# Altium PCB SAC100001-RFSENS.PcbDoc (part 2 of 4) (continued)
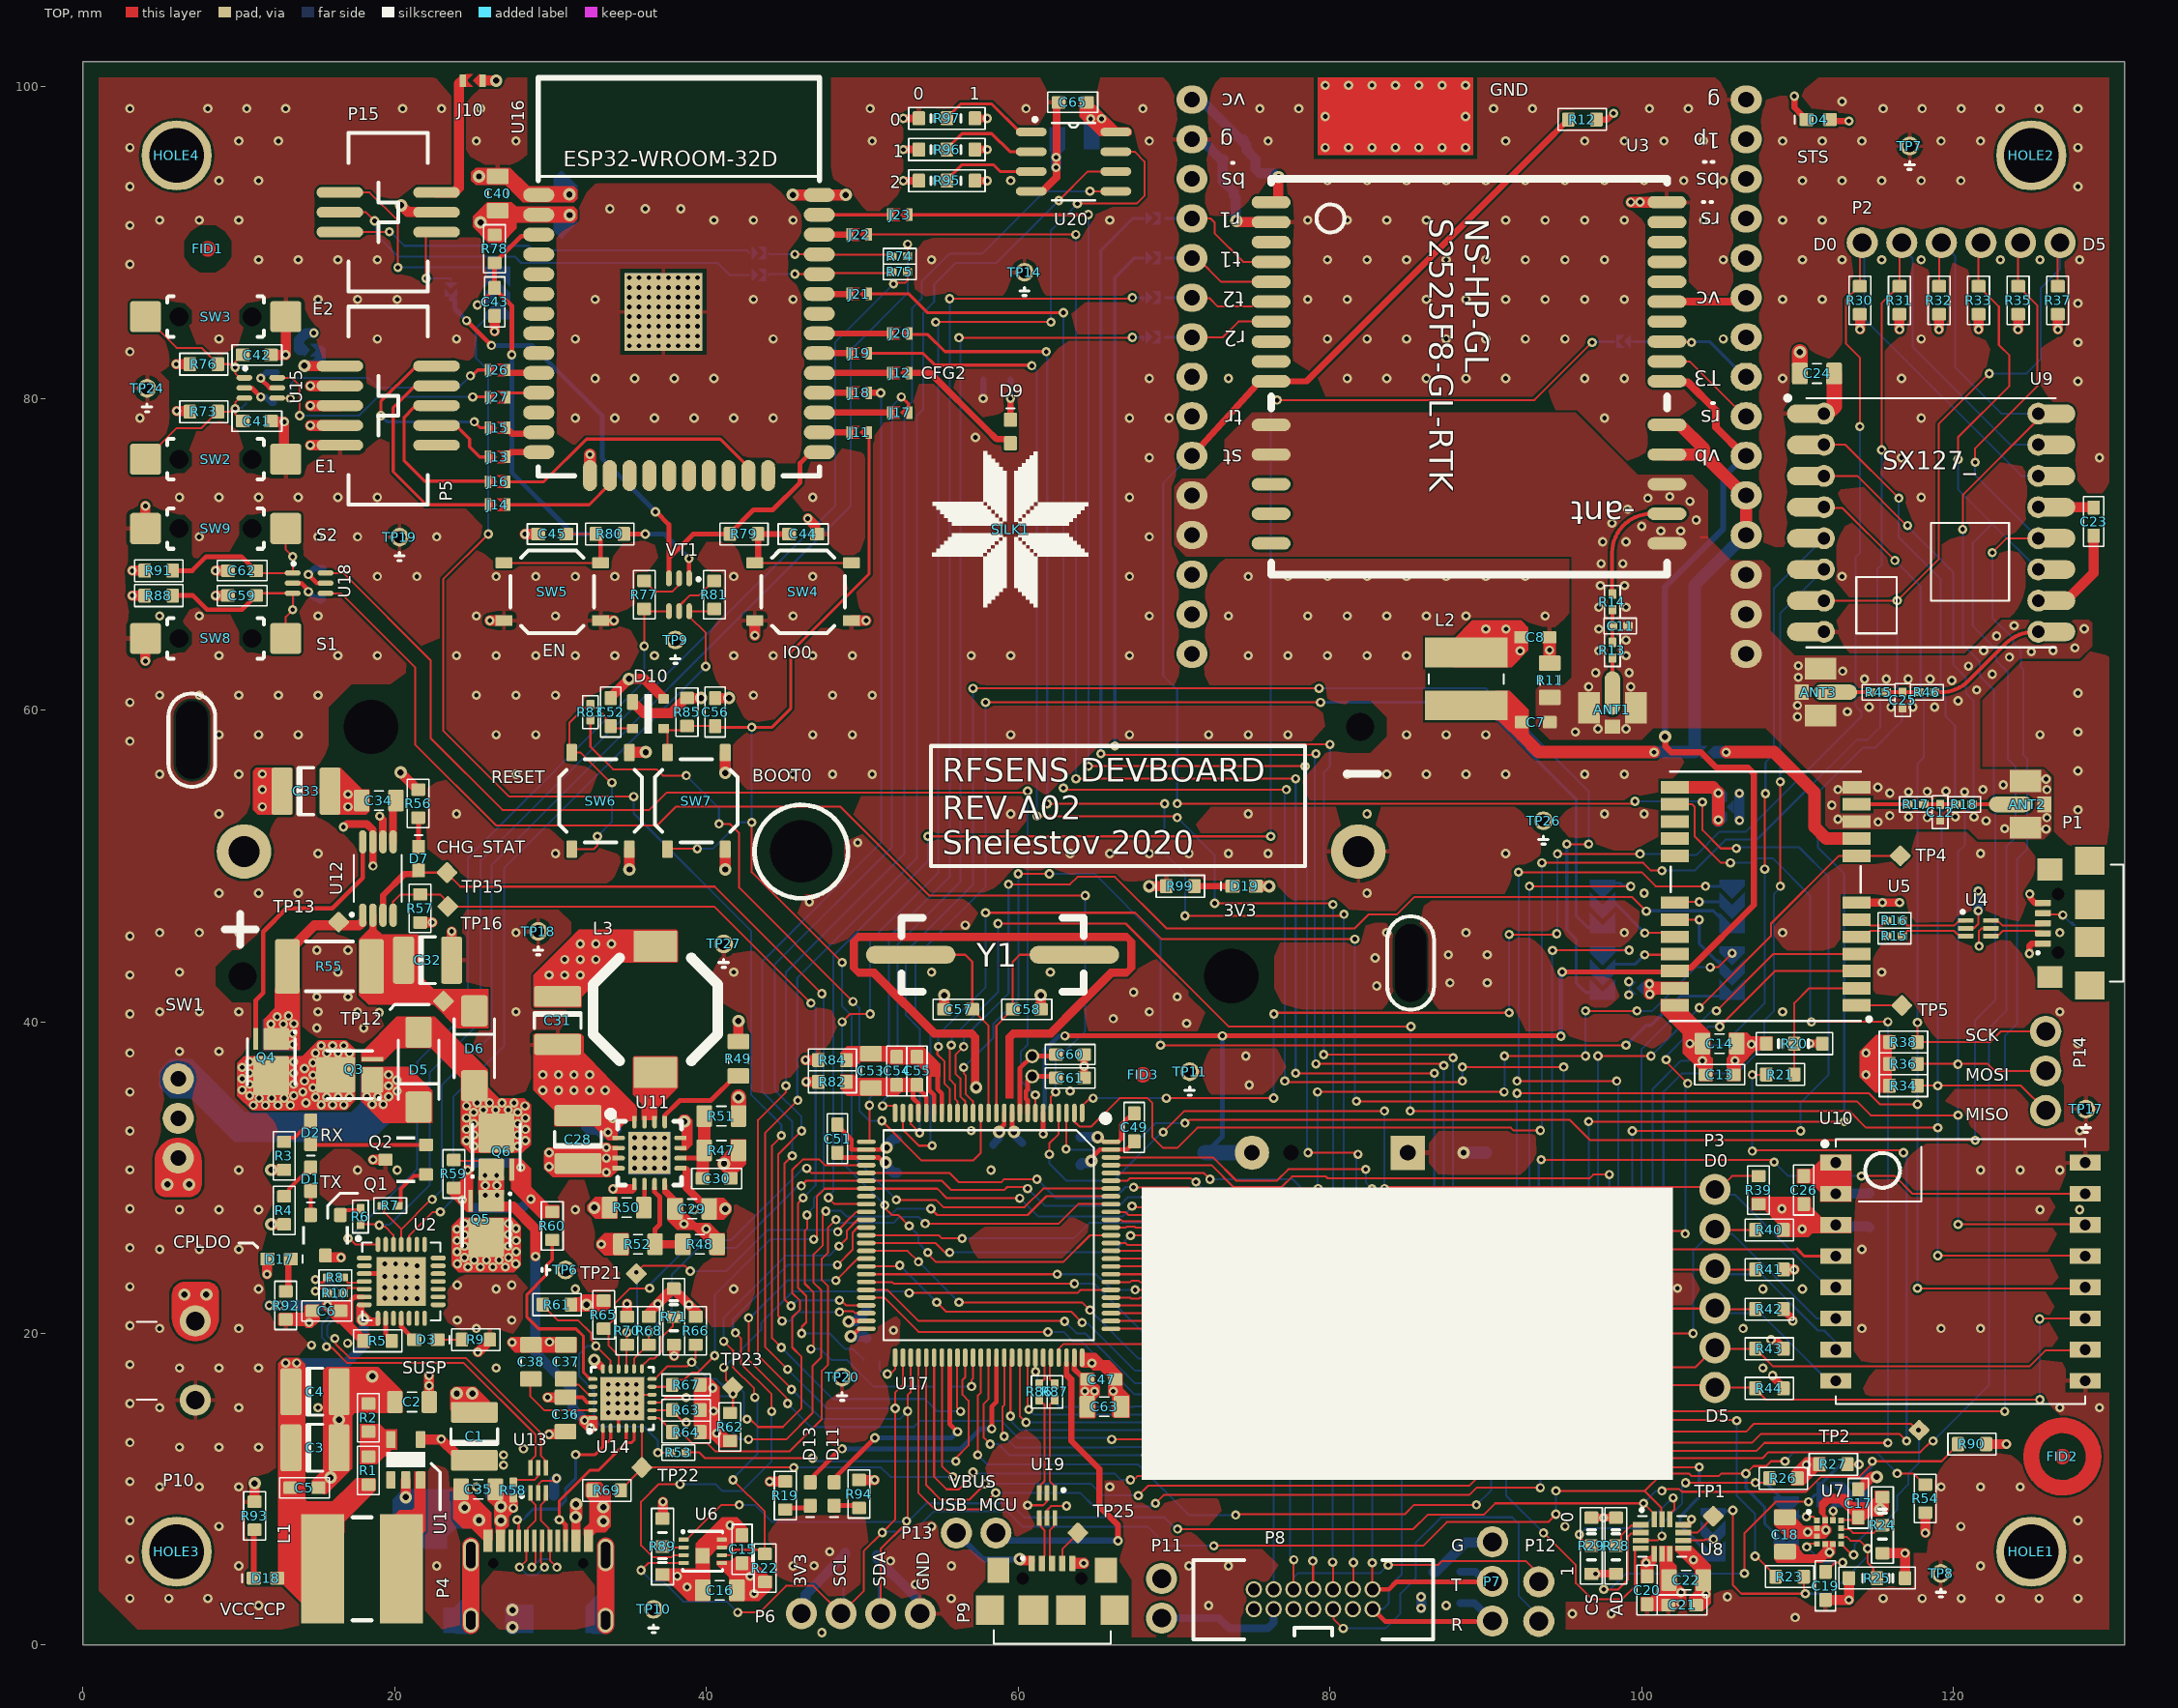
[diagram p0: TOP view]
## Nets (pads, with @x,y where several pads share a name; then routed paths per layer and width w, separated by ;. In a path a pad name is that pad's centre, name@x,y a point inside that pad or via, vN(x,y) a via of type N, cw(c..) or ccw(c..) an arc to the next point about the centre after c; other vN are vias at no path point) (continued)
  TOP w0.127: U13.2@29.223,9.793 29.223,10.33 29.443,10.55 v1@30.375,10.55 ; U14.PAD@35.975,16.075 U14.10@36.5,16.075 ; v1@60.55,8.975 v1(60.6,8.975) 61.607,8.975 61.827,9.195 61.827,9.732 U19.2@61.85,9.755 ; v1(99.3,92.6) v1@99.303,92.597 ; U3.30@101.622,92.597 U3.30@101.625,92.593 ; U7.2@111.259,7.502 U7.2@111.26,7.501 ; U7.12@111.772,8.015 U7.12@111.772,8.015 ; v1@111.774,7.501 111.825,7.45 v1(111.825,7.375)
  TOP w0.2: U14.3@34.35,13.925 U14.PAD@34.35,14.525
  TOP w0.3: U15.2@10.345,80.675 10.825,80.675 v1(11.4,80.1) ; U18.2@13.445,68.15 13.456,68.139 14.011,68.139 14.45,67.7 v1(14.45,67.6) ; U2.3@18.042,23.843 U2.29@19,23.843 ; C51.1@48.4,33.4 48.4,33.35 49.3,32.45 49.3,31.8 49.8,31.8 U17.27@50.25,31.8 51.29,31.8 51.416,31.926 v3(51.551,31.926) ; v3(49.117,20.761) 49.156,20.8 U17.49@49.95,20.8 ; U17.10@59.6,34.15 59.6,33.191 59.728,33.063 v3(59.728,32.928) ; v3(64.7,31.075) 64.7,31.274 65.226,31.8 U17.99@65.95,31.8 66.975,31.8 C49.1@67.45,32.275
  TOP w0.35: v1@110.625,7.25 110.63,7.255 v1(110.654,7.255)
  TOP w0.49: v1(19.028,53.204) 19.028,53.172 19.241,52.959 U12.6@19.241,51.549
  TOP w0.5: v1(33.975,33.8) v1@34.002,33.8 ; U11.9@38.7,30.492 38.7,29.375 C29.1@39.875,28.2 ; v1(52.625,93.975) R95.3@53.625,93.975 ; v1(52.625,95.975) R96.3@53.625,95.975 ; v1(52.625,97.975) R97.3@53.625,97.975 ; U20.4@60.836,93.295 U20.4@61.547,93.295 ; U20.4@61.555,93.295 U20.4@61.547,93.295 ; 62.45,94.198 U20.4@61.547,93.295 ; 62.45,94.2 C65.1@62.45,98.9 ; C61.1@64.225,36.4 C60.1@64.225,37.9 ; C8.1@94.075,64.675 C8.1@94.088,64.663 ; R11.2@94.088,63.038 R11.2@94.1,63.025 ; R29.3@96.775,8.175 v1(97.55,8.175) R28.3@98.35,8.175 ; U3.30@101.625,92.593 U3.30@101.628,92.597 ; v1(110.8,38.6) R20.1@111.6,38.6
  TOP w0.65: v1(4,63.15) SW8.1@4,64.6 ; SW9.1@4,71.65 v1(4,73.1) ; v1(8.5,67.35) C59.2@9.3,67.35 ; v1(8.5,68.95) C62.2@9.3,68.95 ; R93.1@11,9.2 v3(11,10.379) ; C41.2@12.1,78.5 v1(12.9,78.5) SW2.1@12.9,76.2 ; C42.2@12.15,82.8 v1(13,82.8) SW3.1@13,85.25 ; Q1.3@15.625,24.875 v1(16.55,24.875) ; R2.1@18.3,15.5 R2.1@18.35,15.55 ; v1(18.6,31.15) Q2.3@19.4,31.15 ; C2.1@19.95,15.55 C2.1@20,15.6 ; v3(20.4,92.4) 20.84,91.96 22.665,91.96 P15.4@22.675,91.95 ; v3@20.7,9.6 U1.2@20.7,10.6 ; R57.1@21.625,46.375 v1(22.4,46.375) ; C32.2@23.64,43.95 23.65,43.96 v1(23.65,45.8) ; v1(25.325,18.8) 25.35,18.8 26.1,19.55 R9.1@26.1,19.6 ; v1(26.4,84.3) C43.1@26.4,85.3 ; v1(29.9,13.525) C36.2@30.775,13.525 ; v3@31.195,93.055 v3@31.2,93.05 ; v1(34,29.275) 35.2,29.275 ; R70.1@34.9,21.2 v1(34.9,21.9) ; D10.1@35.425,60.35 35.975,59.8 37.725,59.8 38.7,60.775 R85.1@38.75,60.775 v3(39.65,60.775) ; R71.1@37.9,19.275 37.925,19.25 v1(37.925,18.55) ; C56.2@40.55,60.775 v3(41.45,60.775) ; v1(44.05,10.5) R19.2@45.05,10.5 ; v1(46.35,37.55) R84.1@47,37.55 ; v1(46.5,72.3) 46.975,71.825 C44.1@46.975,71.375 ; R94.2@49.786,10.601 v1(50.786,10.601) ; C57.1@55.25,40.8 v3(55.25,41.7) ; C58.1@61.45,40.8 v3(61.45,41.7) ; v3(68.4,48.7) R99.1@69.5,48.7 ; v3(74,91.4) 74.041,91.4 74.125,91.316 U3.2@76.225,91.316 ; C26.1@110.4,30.05 C26.1@110.4,30.1 C26.1@110.4,30.15 ; U9.1@111.176,79.025 U9.1@111.438,79.287 ; C19.2@111.8,2.9 v1(113.3,2.9) R25.1@113.3,4.3 ; U10.2@112.285,29.14 U10.2@112.46,28.965 ; U10.1@112.285,30.79 U10.1@112.46,30.965 ; R24.3@115.35,9.5 R24.3@115.4,9.5 ; U9.10@126.525,67.025 127.225,67.025 129,68.8 C23.1@129,71.2
  TOP w0.7: v1(14.575,77) P5.9@16.475,77 ; v1(14.575,78.27) P5.7@16.475,78.27 ; v1(14.575,79.54) P5.5@16.475,79.54 ; v1(14.575,80.81) P5.3@16.475,80.81 ; v1(26.1,65.75) SW5.1@26.95,65.75 ; v1(28.35,71.3) C45.1@29.2,71.3 ; SW5.3@33.2,65.75 v1(34.05,65.75) ; v3(35.05,49.775) SW6.1@35.05,51.075 ; SW6.3@35.05,57.275 35.075,57.3 v3(36.1,57.3) ; v1(43.1,64.8) SW4.1@43.1,65.75 ; v3(45.535,93.06) U16.38@47.235,93.06 v3(48.935,93.06) ; SW4.3@49.385,65.747 v1(50.235,65.747) ; v1@99.303,92.597 U3.30@101.622,92.597
  TOP w0.8: U16.15@32.52,75.05 v1(32.52,76.4) ; R11.2@94.088,63.038 v1(94.088,63.85) C8.1@94.088,64.663
  TOP w1: R51.1@42.05,33.9 v3(42.05,35.15) ; U9.1@110.625,79.025 111.176,79.025 U9.1@111.7,79.025 111.896,79.025 112.355,79.484 112.355,81.395 112.35,81.4 C24.1@112.35,81.6
  BOT w0.4: v1(11.4,80.1) 11.438,80.062 11.738,80.062 12.075,79.725 D16.1@12.225,79.725 ; v1(14.45,67.6) 14.875,67.175 D12.1@15.225,67.175 ; v1(57.75,80) R72.2@57.75,81.2
  BOT w0.5: v3@59.65,32.825 C46.1@60.25,32.225 ; U3.30@106.253,99.173 U3.30@106.705,99.173
  BOT w0.65: D12.1@15.225,67.175 D12.1@15.25,67.15 ; D8.1@30.2,9.6 30.225,9.625 30.225,10.55 v1(30.375,10.7) ; C67.1@32.45,33.075 C67.1@32.275,33.25 C67.1@32.45,33.425 ; v3(49.117,20.761) 49.145,20.789 49.589,20.789 50.25,21.45 C48.1@50.25,21.5 ; D15.1@50.925,5.775 50.95,5.75 50.95,5.55 53.452,3.048 53.452,2.283 P6.4@53.71,2.025 ; v3(51.551,31.926) 51.58,31.954 51.58,32.08 52,32.5 C64.1@52.2,32.5 ; C50.1@64,30.8 64,30.85 64.075,30.925 64.561,30.925 64.725,31.089 64.725,31.15 64.7,31.125 v3(64.7,31.075) ; U3.2@71.145,96.633 U3.2@71.556,96.633 ; U3.2@71.677,96.677 73.024,95.33 73.13,95.33 C9.1@73.164,95.364 73.128,95.328 73.128,93.964 73.822,93.27 C10.1@73.822,93.022 73.964,92.881 73.964,91.436 v3(74,91.4) ; D14.1@86.65,4.7 86.8,4.7 88.7,6.6 90.4,6.6 P7.3@90.425,6.625 ; v1(106.275,52.925) v1@106.275,54.661 ; U10.2@112.46,28.965 112.477,28.982 114.582,28.982 C27.1@114.6,29
  BOT w0.8: v3(88.577,31.6) B1.NEG@90,31.6
  other v1: 47.4,0.8 109.85,1.775 95.55,2.013 98.05,2.013 102.525,2.675 3,3 5.5,3 8,3 55.7,3 115.5,3 118,3 120.5,3 123,3 125.5,3 128,3 105.5,3.1 102.525,3.375 38.75,3.725 53.4,3.9 38.125,4.425 46.9,5.1 64.2,5.25 51.8,5.4 3,5.5 128,5.5 47.9,6 41.508,7.692 3,8 128,8 3,10.5 28.25,12.6 3,13 33.7,14.925 34.3,14.925 34.9,14.925 35.5,14.925 3,15.5 33.7,15.525 34.3,15.525 34.9,15.525 35.5,15.525 33.7,16.125 34.3,16.125 34.9,16.125 35.5,16.125 64.275,16.3 64.9,16.3 33.7,16.725 34.3,16.725 34.9,16.725 35.5,16.725 3,18 14.65,19.25 16.975,19.375 27.525,19.425 29.925,19.45 52,20.2 3,20.5 83.6,20.6 14.5,20.7 24,20.85 27.5,20.85 92.2,20.9 85.9,21.1 88.7,22.1 19.349,22.258 20.049,22.258 20.737,22.243 21.437,22.243 95.5,22.5 102.3,22.9 20.737,22.943 21.437,22.943 19.349,22.958 20.049,22.958 3,23 24,23.1 27.5,23.1 19.349,23.658 20.049,23.658 20.737,23.643 21.437,23.643 21.437,24.343 20.737,24.443 19.349,24.458 20.049,24.458 3,25.5 33.25,25.725 3,28 3,30.5 35.382,30.615 36.032,30.615 36.669,30.6 37.319,30.6 36.669,31.25 37.319,31.25 35.382,31.265 36.032,31.265 35.382,31.915 36.032,31.915 36.669,31.9 37.319,31.9 36.669,32.55 37.319,32.55 35.382,32.565 36.032,32.565 33.675,32.9 3,33 3,35.5 29.5,35.6 30.5,35.6 31.5,35.6 32.5,35.6 33.5,35.6 74.818,35.938 29.5,36.6 30.5,36.6 31.5,36.6 32.5,36.6 64.225,37.15 74.6,37.8 3,38 128,38.6 15,39.6 18,39.6 70.8,39.9 66.1,40.2 3,40.5 19,40.6 15,41.6 17,41.6 70.2,41.6 67.4,41.9 83,42.3 87.7,42.5 90.1,42.5 3,43 82.9,44.1 87.6,44.3 90.1,44.3 15,44.6 17,44.6 3,45.5 56.6,46.2 46.6,47.7 49.7,51.5 128,53.6 17,53.8 17,54.6 106.269,54.661 128,56.1 3,58 128,58.6 3,60.5 128,61.1 57.25,77.5 128,81.1 3,83 35.05,83.375 35.675,83.375 36.3,83.375 36.925,83.375 37.55,83.375 38.175,83.375 38.8,83.375 39.425,83.375 128,83.6 35.05,84 35.675,84 36.3,84 36.925,84 37.55,84 38.175,84 38.8,84 39.425,84 35.05,84.625 35.675,84.625 36.3,84.625 36.925,84.625 37.55,84.625 38.175,84.625 38.8,84.625 39.425,84.625 35.05,85.25 35.675,85.25 36.3,85.25 36.925,85.25 37.55,85.25 38.175,85.25 38.8,85.25 39.425,85.25 35.05,85.875 35.675,85.875 36.3,85.875 36.925,85.875 37.55,85.875 38.175,85.875 38.8,85.875 39.425,85.875 128,86.1 35.05,86.5 35.675,86.5 36.3,86.5 36.925,86.5 37.55,86.5 38.175,86.5 38.8,86.5 39.425,86.5 35.05,87.125 35.675,87.125 36.3,87.125 36.925,87.125 37.55,87.125 38.175,87.125 38.8,87.125 39.425,87.125 35.05,87.75 35.675,87.75 36.3,87.75 36.925,87.75 37.55,87.75 38.175,87.75 38.8,87.75 39.425,87.75 3,88.6 3,91.1 33.8,92.175 36.075,92.175 38.35,92.175 99.898,92.602 3,93.6 128,93.6 62.425,94.825 62.432,95.472 3,96.1 79.7,96.1 81.2,96.1 82.7,96.1 84.2,96.1 85.7,96.1 87.2,96.1 88.7,96.1 128,96.1 79.7,98.1 88.7,98.1 3,98.6 8,98.6 10.5,98.6 13,98.6 20.5,98.6 23,98.6 25.5,98.6 50.5,98.6 60.5,98.6 68,98.6 75.5,98.6 78,98.6 90.5,98.6 93,98.6 100.5,98.6 103,98.6 115.5,98.6 118,98.6 120.5,98.6 123,98.6 125.5,98.6 128,98.6 79.7,100.1 81.2,100.1 82.7,100.1 84.2,100.1 85.7,100.1 87.2,100.1 88.7,100.1
  other v2: 11.26,2.54 72.22,2.54 87.46,2.54 9.99,5.08 22.69,5.08 45.55,5.08 55.71,5.08 70.95,5.08 73.49,5.08 121.75,5.08 8.72,7.62 54.44,7.62 95.08,7.62 120.48,7.62 4.91,10.16 7.45,10.16 9.99,10.16 25.23,10.16 65.87,10.16 119.21,10.16 121.75,10.16 124.29,10.16 6.18,12.7 8.72,12.7 11.26,12.7 4.91,15.24 9.99,15.24 15.07,15.24 126.83,15.24 129.37,15.24 6.18,17.78 8.72,17.78 11.26,17.78 26.5,17.78 107.78,17.78 4.91,20.32 9.99,20.32 25.23,20.32 106.51,20.32 114.13,20.32 119.21,20.32 121.75,20.32 11.26,22.86 26.5,22.86 31.58,22.86 41.74,22.86 107.78,22.86 110.32,22.86 4.91,25.4 7.45,25.4 9.99,25.4 114.13,25.4 6.18,27.94 8.72,27.94 11.26,27.94 31.58,27.94 39.2,27.94 125.56,27.94 128.1,27.94 9.99,30.48 17.61,30.48 20.15,30.48 58.25,30.48 121.75,30.48 124.29,30.48 126.83,30.48 56.98,33.02 128.1,33.02 63.33,35.56 6.18,38.1 8.72,38.1 4.91,40.64 7.45,40.64 9.99,40.64 15.07,40.64 17.61,40.64 27.77,40.64 68.41,40.64 109.05,40.64 126.83,40.64 6.18,43.18 16.34,43.18 41.74,43.18 54.44,43.18 62.06,43.18 115.4,43.18 4.91,45.72 7.45,45.72 9.99,45.72 27.77,45.72 83.65,45.72 88.73,45.72 98.89,45.72 109.05,45.72 126.83,45.72 8.72,48.26 11.26,48.26 13.8,48.26 82.38,48.26 100.16,48.26 15.07,50.8 30.31,50.8 63.33,50.8 65.87,50.8 68.41,50.8 70.95,50.8 73.49,50.8 76.03,50.8 91.27,50.8 121.75,50.8 8.72,53.34 23.96,53.34 59.52,53.34 74.76,53.34 82.38,53.34 97.62,53.34 100.16,53.34 4.91,55.88 9.99,55.88 27.77,55.88 45.55,55.88 48.09,55.88 50.63,55.88 81.11,55.88 83.65,55.88 86.19,55.88 88.73,55.88 91.27,55.88 96.35,55.88 98.89,55.88 8.72,58.42 11.26,58.42 13.8,58.42 26.5,58.42 29.04,58.42 46.82,58.42 49.36,58.42 59.52,58.42 67.14,58.42 72.22,58.42 74.76,58.42 77.3,58.42 84.92,58.42 87.46,58.42 90,58.42 125.56,58.42 4.91,60.96 7.45,60.96 9.99,60.96 12.53,60.96 15.07,60.96 25.23,60.96 27.77,60.96 30.31,60.96 43.01,60.96 48.09,60.96 50.63,60.96 8.72,63.5 16.34,63.5 18.88,63.5 23.96,63.5 26.5,63.5 29.04,63.5 31.58,63.5 34.12,63.5 36.66,63.5 41.74,63.5 44.28,63.5 46.82,63.5 49.36,63.5 56.98,63.5 59.52,63.5 67.14,63.5 74.76,63.5 77.3,63.5 79.84,63.5 82.38,63.5 84.92,63.5 4.91,66.04 7.45,66.04 15.07,66.04 25.23,66.04 30.31,66.04 45.55,66.04 68.41,66.04 73.49,66.04 78.57,66.04 81.11,66.04 83.65,66.04 86.19,66.04 88.73,66.04 93.81,66.04 18.88,68.58 21.42,68.58 26.5,68.58 29.04,68.58 31.58,68.58 34.12,68.58 41.74,68.58 46.82,68.58 67.14,68.58 74.76,68.58 77.3,68.58 79.84,68.58 82.38,68.58 84.92,68.58 87.46,68.58 90,68.58 92.54,68.58 112.86,68.58 7.45,71.12 15.07,71.12 17.61,71.12 22.69,71.12 68.41,71.12 6.18,73.66 8.72,73.66 11.26,73.66 13.8,73.66 16.34,73.66 18.88,73.66 46.82,73.66 67.14,73.66 117.94,73.66 68.41,76.2 116.67,76.2 129.37,76.2 3.64,78.74 31.58,78.74 34.12,78.74 36.66,78.74 39.2,78.74 41.74,78.74 44.28,78.74 67.14,78.74 69.68,78.74 97.62,78.74 117.94,78.74 32.85,81.28 35.39,81.28 37.93,81.28 40.47,81.28 68.41,81.28 73.49,81.28 81.11,81.28 83.65,81.28 86.19,81.28 88.73,81.28 91.27,81.28 96.35,81.28 98.89,81.28 109.05,81.28 116.67,81.28 8.72,83.82 18.88,83.82 23.96,83.82 31.58,83.82 44.28,83.82 79.84,83.82 82.38,83.82 84.92,83.82 87.46,83.82 90,83.82 92.54,83.82 95.08,83.82 105.24,83.82 117.94,83.82 15.07,86.36 17.61,86.36 20.15,86.36 32.85,86.36 43.01,86.36 45.55,86.36 78.57,86.36 81.11,86.36 86.19,86.36 88.73,86.36 91.27,86.36 93.81,86.36 96.35,86.36 98.89,86.36 109.05,86.36 111.59,86.36 11.26,88.9 13.8,88.9 16.34,88.9 18.88,88.9 54.44,88.9 79.84,88.9 82.38,88.9 84.92,88.9 87.46,88.9 90,88.9 92.54,88.9 95.08,88.9 97.62,88.9 105.24,88.9 110.32,88.9 112.86,88.9 115.4,88.9 117.94,88.9 123.02,88.9 125.56,88.9 128.1,88.9 4.91,91.44 7.45,91.44 9.99,91.44 40.47,91.44 43.01,91.44 45.55,91.44 65.87,91.44 78.57,91.44 81.11,91.44 83.65,91.44 86.19,91.44 91.27,91.44 93.81,91.44 96.35,91.44 98.89,91.44 103.97,91.44 109.05,91.44 111.59,91.44 8.72,93.98 11.26,93.98 59.52,93.98 79.84,93.98 82.38,93.98 84.92,93.98 87.46,93.98 90,93.98 92.54,93.98 95.08,93.98 97.62,93.98 100.16,93.98 102.7,93.98 105.24,93.98 110.32,93.98 112.86,93.98 115.4,93.98 117.94,93.98 120.48,93.98 9.99,96.52 12.53,96.52 25.23,96.52 27.77,96.52 50.63,96.52 68.41,96.52 76.03,96.52 91.27,96.52 96.35,96.52 98.89,96.52 101.43,96.52 103.97,96.52 109.05,96.52 111.59,96.52 114.13,96.52 119.21,96.52 121.75,96.52 112.86,99.06
  other v3: 27.55,1.15 27.55,2.25 33.375,7.95 25.4,8.025 115.3,8.7 24.475,8.825 33.375,8.85 20.7,9.5 15.875,10.75 16.415,14.463 23.975,16.15 24.975,16.15 18.55,17.25 41.2,28 38.575,33.6 57.3,35.8 31.2,93.1 25.4,94.25
GPS_STSr: D4.C R12.2 | length 2.7
  TOP w0.4: R12.2@97.1,97.9 97.8,97.9 v1(98.2,98.3) ; v1(109.8,99.4) 109.8,98.66 D4.C@110.32,98.14
GPS_TX3: J6.1 U17.34 | length 101.8
  TOP w0.127: v1@47.809,28.7 48.209,28.3 U17.34@50.25,28.3 ; v1(54.2,51.9) v1(76.2,51.9) ; v1(76.6,79.9) 93.121,79.9 v1(96.821,83.6)
  BOT w0.127: v1(47.821,28.712) 47.821,28.805 48.123,29.107 48.123,44.223 54.2,50.3 v1(54.2,51.9) ; v1(76.2,51.9) 76.2,79.5 v1(76.6,79.9) ; v1(96.821,83.6) v1@97,83.6
  BOT w0.2: v1@97,83.65 J6.1@98.225,83.65
GPS_VBAT: B1.POS U3.21 U5.22 U17.6 | length 112.8
  TOP w0.3: v1(61.6,32.8) U17.6@61.6,34.15 ; v1(63,39.1) v1(73.1,39.1) 94.7,39.1 94.719,39.081 v1(94.82,39.081) ; v1(94.9,43.2) 102.066,43.2 U5.22@102.116,43.25
  TOP w0.4: v3@101.525,58.275 101.525,57.681 101.906,57.3 103.8,57.3 104.8,56.3 106.819,56.3 107.2,55.919 107.2,47.5 103.15,43.45 102.316,43.45 U5.22@102.191,43.325
  TOP w0.5: U3.21@101.625,81.1 101.682,81.043 102.957,81.043 104.778,79.222 104.778,78.14 106.605,76.313 U3.21@106.705,76.313
  TOP w0.65: v3(101.5,58.3) v3@101.525,58.275
  BOT w0.3: v1(61.6,32.8) 61.6,34.4 61.7,34.5 61.7,38.2 62.57,39.07 62.97,39.07 v1(63,39.1) ; B1.POS@72,31.6 72.05,31.6 73.1,32.65 v1(73.1,39.1) ; v1(94.82,39.081) 94.82,43.12 v1(94.9,43.2)
  BOT w0.4: v3(101.5,58.3) 101.5,67.9 105.23,71.63 105.23,74.938 U3.21@106.605,76.313
  BOT w0.65: U3.21@106.605,76.313 U3.21@106.705,76.313
  BOT w1: B1.POS@72,31.6 B1.POS@75,31.6
IO0: J28.1 R79.2 U16.25 VT1.3 | length 38.7
  TOP w0.127: R79.2@41.5,71.3 R79.2@41.5,71.35 ; U16.25@46.7,76.55 U16.25@47.235,76.55
  TOP w0.3: v1(24.6,85) v1(26.2,83.4) ; v1(36.726,72.726) 36.7,72.7 36.8,72.7 37.585,71.915 37.585,69.735 ; VT1.3@37.585,68.455 37.585,69.735 ; R79.2@41.5,71.3 39.15,71.3 37.585,69.735 ; R79.2@41.5,71.35 43,72.85 44.25,72.85 46,74.6 46,75.85 U16.25@46.7,76.55
  BOT w0.3: J28.1@23.6,86.375 23.8,86.375 23.85,86.325 23.85,85.75 v1(24.6,85) ; v1(26.2,83.4) 28.8,83.4 33.3,78.9 33.3,76.152 v1(36.726,72.726)
IO0_: C44.2 R79.1 SW4.2 SW4.4 | length 9.8
  TOP w0.127: SW4.2@43.1,69.45 SW4.4@49.3,69.45
  TOP w0.4: SW4.2@43.3,69.725 R79.1@43.3,71.3 C44.2@45.3,71.3
IO0_PROG: J28.2 P15.6 | length 5.1
  TOP w0.127: v1(22,87.7) 22,90.415 22.265,90.68 P15.6@22.675,90.68
  BOT w0.127: v1(22,87.7) 23.525,87.7 J28.2@23.6,87.625
JCLK: P8.6 P12.2 U17.76 | length 46.3
  TOP w0.127: U17.76@65.95,20.3 65.963,20.314 77.411,20.314 v1(77.45,20.275) ; P8.6@77.66,3.584 77.66,5.46 v1(77.68,5.48) ; v1(83.733,5.133) 86.933,5.133 87.2,5.4 92.57,5.4 P12.2@93.9,4.07
  BOT w0.127: v1(77.45,20.275) 77.45,5.71 v1(77.68,5.48) ; P8.6@77.66,3.584 77.66,4.335 77.95,4.625 83.225,4.625 v1(83.733,5.133)
JCLKj: P8.9 P12.1 | length 25.1
  TOP w0.127: P8.9@80.2,2.314 80.227,2.287 80.227,1.698 v1(80.85,1.075)
  BOT w0.127: v1(80.85,1.075) 83.575,1.075 84.525,2.025 84.525,3.3 85.5,4.275 85.5,6.55 87.15,8.2 91.7,8.2 92.1,7.8 92.1,3.174 P12.1@93.744,1.53 ; P12.1@93.544,1.53 P12.1@93.7,1.53
JNRST: P8.12 U17.90 | length 40.1
  TOP w0.127: U17.90@65.95,27.3 65.959,27.291 66.609,27.291 66.7,27.2 79.215,27.2 79.892,26.523 82.223,26.523 v1(82.3,26.6) ; P8.12@81.47,3.584 81.4,3.654 81.5,3.754 v1(81.5,5.3)
  BOT w0.127: v1(81.5,5.3) 81.5,25.8 v1(82.3,26.6)
JTDI: P8.10 U17.77 | length 31.2
  TOP w0.127: U17.77@65.95,20.8 79.7,20.8 v1(80.2,20.3) ; v1(80.175,5.325) 80.2,5.3 P8.10@80.2,3.584
  BOT w0.127: v1(80.175,5.325) 80.175,20.275 v1(80.2,20.3)
JTDO: P8.8 U17.89 | length 36.2
  TOP w0.127: U17.89@65.95,26.8 66.908,26.8 66.965,26.857 67.459,26.857 67.516,26.8 78.751,26.8 78.9,26.651 v1(78.9,26.623) ; v1(78.9,5.4) 78.915,5.385 78.915,3.599 P8.8@78.93,3.584 P8.8@78.916,3.584
  BOT w0.127: v1(78.9,5.4) v1(78.9,26.623)
JTMS: P8.4 U17.72 | length 30.2
  TOP w0.127: U17.72@62.6,18.45 62.609,18.459 62.609,19.013 62.923,19.327 67.932,19.327 68.036,19.223 v1(76.4,19.223)
  BOT w0.127: P8.4@76.39,3.584 76.395,3.589 76.395,19.218 v1(76.4,19.223)
LIS_ADDR: R24.2 U7.9 | length 3
  TOP w0.127: U7.9@112.784,7.502 112.832,7.454 113.304,7.454 113.558,7.2 114.9,7.2 115.077,7.377 115.077,7.427 115.35,7.7 R24.2@115.4,7.7
LIS_DRDY: CFG7.3 R23.2 R25.2 U7.8 | length 21.4
  TOP w0.127: v1(105.85,8.65) 105.85,3.85 106.4,3.3 110.4,3.3 v1(110.5,3.3) 110.4,3.4 R23.2@110.4,4.4 ; U7.8@112.784,7.002 112.832,6.954 113.146,6.954 113.4,6.7 114,6.7 v1(114.5,6.2) 114.5,5.3 114.86,4.94 114.86,4.54 R25.2@114.9,4.5
  BOT w0.127: v1@105.8,8.6 v1(105.85,8.65) ; v1(110.5,3.3) 112.1,3.3 114.5,5.7 v1(114.5,6.2)
  BOT w0.2: 104.7,8.6 v1@105.8,8.6
LIS_INT: TP2.1 U7.7 U17.85 | length 74.6
  TOP w0.127: U17.85@65.95,24.8 75.1,24.8 75.2,24.9 87.132,24.9 87.332,24.7 v1(98.7,24.7) ; v1(98.6,13.7) 106.7,13.7 107.2,14.2 117.278,14.2 117.678,13.8 TP2.1@117.8,13.8 ; U7.7@112.784,6.502 112.797,6.502 113.499,5.8 v1(113.6,5.8)
  BOT w0.127: v1(98.6,13.7) 98.6,24.6 v1(98.7,24.7) ; v1(113.6,5.8) 113.666,5.866 113.666,6.466 114.7,7.5 115.2,7.5 116.4,8.7 116.4,9.6 117.1,10.3 117.1,11 117.8,11.7 v1@117.8,13.8
  other v1: 117.75,13.8
LSM_ADDR: R28.2 U8.1 | length 1.9
  TOP w0.127: R28.2@98.673,6.648 98.673,7.017 99.329,7.673 99.901,7.673 U8.1@99.949,7.721
LSM_SCL: CFG5.3 R26.2 U8.3 | length 13.1
  TOP w0.127: U8.3@99.949,6.721 101.021,6.721 v1(101.3,7) ; v1(102.822,10.422) 102.825,10.425 v1(107.3,10.425) R26.2@107.927,10.425
  BOT w0.127: v1(101.3,7) 101.3,7.8 102.6,9.1 102.6,10.2 v1(102.822,10.422)
  BOT w0.2: v1(107.3,10.425) 107.95,10.425 CFG5.3@109.275,9.1
LSM_SDA: CFG6.3 R27.2 U8.2 | length 27.4
  TOP w0.127: v1(97.575,3.575) 98.502,3.575 99.122,4.195 99.122,6.966 99.329,7.173 99.901,7.173 U8.2@99.949,7.221 ; v1(106.6,4.6) 106.6,7.192 108.608,9.2 v1(110.7,9.2) ; R27.2@113.391,11.6 v1(113.95,11.6)
  BOT w0.127: v1(97.575,3.575) 97.975,3.575 99,4.6 v1(106.6,4.6) ; 111.4,10.1 111.4,10.217
  BOT w0.2: v1(110.7,9.2) 111.15,9.65 CFG6.3@111.65,9.65 ; 111.4,10.217 112.783,11.6 v1(113.95,11.6)
M24W_WC: U17.88 U20.7 | length 102.9
  TOP w0.127: v1(48.7,40) 49.2,40.5 v1(50.5,40.5) ; v1(51.429,28.228) 51.429,28.071 51.475,28.025 51.9,27.6 52.3,27.6 v1(53,26.9) ; v1(54.2,25.2) 54.2,25.1 54.7,24.6 62.9,24.6 64.6,26.3 U17.88@65.95,26.3 ; v1(54.7,84.9) v1(62.1,84.9) ; v1(63.8,92.5) 67.6,92.5 68.1,93 68.1,95.2 67.465,95.835 U20.7@66.264,95.835
  BOT w0.127: v1(48.7,40) 48.7,30.957 v1(51.429,28.228) ; v1(50.5,40.5) 50.5,45.2 54.877,49.577 54.877,84.723 v1(54.7,84.9) ; v1(53,26.9) 53.6,26.3 53.6,25.8 v1(54.2,25.2) ; v1(62.1,84.9) 62.1,90.8 v1(63.8,92.5)
MEM_A0: R97.2 U20.1 | length 6.6
  TOP w0.127: R97.2@55.425,97.975 R97.2@55.425,98.025 ; U20.1@60.095,97.105 U20.1@60.836,97.105
  TOP w0.2: R97.2@55.425,98.025 56.3,98.9 58.3,98.9 U20.1@60.095,97.105
MEM_A1: R96.2 U20.2 | length 6.3
  TOP w0.127: R96.2@55.425,95.975 55.425,96.025 R96.2@55.698,96.298
  TOP w0.2: R96.2@55.698,96.298 56.4,97 58.3,97 59.465,95.835 U20.2@60.836,95.835
MEM_A2: R95.2 U20.3 | length 6
  TOP w0.127: R95.2@55.425,93.975 55.425,94.025 R95.2@55.698,94.298
  TOP w0.2: R95.2@55.698,94.298 56.4,95 58.4,95 58.835,94.565 U20.3@60.836,94.565
MUXint: R53.2 R61.1 U14.17 | length 18.6
  TOP w0.127: R61.1@29.6,21.7 30.45,20.85 31.75,20.85 32.6,20 32.6,19.593 32.9,19.294 v1(32.9,19.2) 33.85,18.25 U14.17@33.85,17.725 ; v1(36.875,12.35) R53.2@37.7,12.35
  BOT w0.127: v1(32.9,19.2) 32.35,19.2 31.825,18.675 31.825,17.25 32.775,16.3 32.775,14.5 33.25,14.025 35.975,14.025 36.875,13.125 v1(36.875,12.35)
NetANT1_ANT: ANT1.ANT R13.1 | length 2.2
  TOP w0.254: ANT1.ANT@98.125,61.1 R13.1@98.125,63.35
NetANT2_ANT: ANT2.ANT R18.2 | length 2.5
  TOP w0.254: R18.2@121.2,53.95 ANT2.ANT@123.675,53.95
NetANT3_ANT: ANT3.ANT R45.1 | length 2.3
  TOP w0.254: ANT3.ANT@112.425,61.15 R45.1@114.7,61.15
NetC11_2: C11.2 R13.2 R14.1 | length 2.1
  TOP w0.254: R13.2@98.125,64.35 R14.1@98.125,66.45
NetC12_2: C12.2 R17.2 R18.1 | length 2.1
  TOP w0.254: R17.2@118.1,53.95 C12.2@119.15,53.95 R18.1@120.2,53.95
NetC19_1: C19.1 U7.4 | length 4.8
  TOP w0.127: v1(110.6,6.3) 110.802,6.502 U7.4@111.259,6.502 ; C19.1@111.8,4.7 112.4,5.3 v1(112.9,5.3)
  BOT w0.127: v1(110.6,6.3) 111.6,5.3 v1(112.9,5.3)
NetC25_2: C25.2 R45.2 R46.1 | length 2.1
  TOP w0.254: R45.2@115.7,61.15 R46.1@117.8,61.15
NetC37_2: C37.2 U14.21 | length 1.6
  TOP w0.127: C37.2@31.348,16.702 31.798,16.702 32.425,16.075 U14.21@32.7,16.075
NetC38_2: C38.2 U14.23 | length 5.5
  TOP w0.127: C38.2@28.675,17.08 28.675,15.975 29.575,15.075 U14.23@32.7,15.075
NetC52_2: C52.2 D10.2 R83.2 SW6.2 SW6.4 | length 16.9
  TOP w0.127: SW6.4@31.2,57.275 31.2,59.2 32.139,60.139 32.363,60.139 R83.2@32.55,60.325 ; SW6.2@31.35,51.075 32.775,51.075 33,51.3 v1(33,51.9) ; SW6.4@31.35,57.275 31.925,57.275 33.85,55.35 v1(33.925,55.35) ; R83.2@32.55,60.375 R83.2@32.55,60.325 ; D10.2@35.2,58.775 D10.2@35.25,58.825 34,58.825 33.513,59.312 33.513,59.587 32.961,60.139 32.736,60.139 R83.2@32.55,60.325
  BOT w0.127: v1(33,51.9) 33.925,52.825 v1(33.925,55.35)
NetCFG1_2: CFG1.2 U5.18 | length 5.4
  TOP w0.127: U5.18@102.116,47.65 101.35,47.65 101.4,47.7 v1(103.7,47.7)
  BOT w0.127: 105.3,47.7 CFG1.2@105.8,47.2
  BOT w0.2: v1(103.7,47.7) 105.3,47.7
NetCFG2_2: CFG2.2 U5.19 | length 6.1
  TOP w0.127: U5.19@102.116,46.55 102.12,46.546 v1(103.7,46.546)
  BOT w0.2: v1(103.7,46.546) 103.7,45.025 CFG2.2@105.8,42.925
NetCFG3_2: CFG3.2 U5.20 | length 5.1
  TOP w0.127: v1(100.2,45.7) 101.866,45.7 U5.20@102.116,45.45
  BOT w0.127: 97.911,47.7 98.2,47.7
  BOT w0.2: 98.2,47.7 v1(100.2,45.7)
NetCFG4_2: CFG4.2 U5.21 | length 5.2
  TOP w0.127: v1(100.2,44.3) 102.066,44.3 U5.21@102.116,44.35
  BOT w0.127: CFG4.2@97.5,42.925 98.275,43.7
  BOT w0.2: 98.275,43.7 99.6,43.7 v1(100.2,44.3)
NetCFG5_2: CFG5.2 U7.1 | length 2.3
  TOP w0.127: v1(110.575,8.25) 111.012,8.25 U7.1@111.211,8.05
  BOT w0.127: CFG5.2@109.275,7.625 109.9,8.25
  BOT w0.2: 109.9,8.25 v1(110.575,8.25)
NetCFG6_2: CFG6.2 U7.11 | length 0.6
  TOP w0.127: U7.11@112.272,8.015 112.302,8.044 112.302,8.598 v1(112.289,8.611)
NetCFG7_1: CFG7.1 U17.97 | length 64.7
  TOP w0.127: U17.97@65.95,30.8 72.4,30.8 73.8,29.4 76.9,29.4 77.577,30.077 79.739,30.077 79.859,29.957 96.643,29.957 96.65,29.95 96.9,30.2 v1(97.923,30.2) ; v1(97.93,11.423) v1(103.7,11.423)
  BOT w0.127: v1(97.923,30.2) 97.926,30.197 97.926,11.426 v1(97.93,11.423)
  BOT w0.2: v1(103.7,11.423) 103.7,9.5 102.475,8.275 102.475,7.7 CFG7.1@104.575,5.6
NetCFG7_2: CFG7.2 U8.9 | length 2
  TOP w0.127: U8.9@102.669,6.721 104.021,6.721 104.1,6.8 v1(104.6,6.8)
NetD1_A: D1.A R4.1 | length 3.1
  TOP w0.127: R4.1@12.941,28.8 R4.1@13.276,29.135 ; D1.A@14.424,30.474 D1.A@14.6,30.65
  TOP w0.25: R4.1@12.9,28.8 12.95,28.8 13.225,29.075 13.225,29.275 13.276,29.326 14.27,30.32 14.31,30.32 14.424,30.434 D1.A@14.424,30.474
NetD1_C: D1.C Q1.2 | length 1.6
  TOP w0.25: Q1.2@14.6,27.6 D1.C@14.6,29.15
NetD2_A: D2.A R3.1 | length 2.3
  TOP w0.127: R3.1@12.9,32.3 R3.1@13.173,32.573 ; D2.A@14.6,33.61 D2.A@14.6,33.65
  TOP w0.25: R3.1@13.173,32.573 13.563,32.573 D2.A@14.6,33.61
NetD2_C: D2.C Q2.2 | length 7.4
  TOP w0.25: D2.C@14.65,32.1 Q2.2@22,32.1
NetD3_A: D3.A U2.11 | length 1.7
  TOP w0.127: D3.A@20.922,19.928 20.922,19.888 21.21,19.6 D3.A@21.25,19.6
  TOP w0.3: U2.11@20.412,20.973 20.412,20.438 D3.A@20.922,19.928
NetD3_C: D3.C R9.2 | length 1.5
  TOP w0.127: D3.C@22.75,19.6 R9.2@24.3,19.6
NetD7_C: D7.C R56.2 | length 1.4
  TOP w0.3: D7.C@21.525,51.5 R56.2@21.525,52.9
NetD8_2: D8.2 P4.B5 U14.4 U14.5 | length 11.2
  TOP w0.127: v1@30.55,8.125 v1@30.625,8.05 ; U14.5@35.348,13.923 U14.5@35.35,13.925
  TOP w0.2: v1@30.55,8.125 30.55,9.25 32.525,11.225 33.075,11.225 34.85,13 35.199,13 35.348,13.149 U14.5@35.348,13.923 ; 34.85,12.985 U14.4@34.85,13.925
  TOP w0.3: v1@30.625,8.05 30.95,7.725 P4.B5@30.95,6.695
  BOT w0.127: D8.2@30.2,8.05 v1(30.55,8.05)
NetD8_4: D8.4 R98.1 | length 0.9
  BOT w0.5: R98.1@27.3,10 28.15,10 D8.4@28.2,9.95
NetD9_C: D9.C R72.1 | length 2.7
  TOP w0.4: D9.C@59.5,78.625 v1(59.5,80)
  BOT w0.127: R72.1@59.426,81.176 R72.1@59.475,81.225 R72.1@59.5,81.2
  BOT w0.4: v1(59.5,80) R72.1@59.5,81.2
NetD11_C: D11.C R19.1 | length 1.3
  TOP w0.3: R19.1@45.15,8.8 D11.C@46.5,8.8
NetD13_C: D13.C R94.1 | length 1.4
  TOP w0.3: D13.C@48.186,8.951 R94.1@49.636,8.951
NetD17_C: D17.C R92.2 | length 2.2
  TOP w0.127: R92.2@13,22.7 R92.2@13.162,22.862 ; D17.C@13.162,24.612 D17.C@13.325,24.775
  TOP w0.4: R92.2@13.162,22.862 D17.C@13.162,24.612
NetD18_C: D18.C R93.2 | length 3.1
  TOP w0.127: R93.2@10.95,7.35 R93.2@11,7.4
  TOP w0.4: D18.C@10.95,4.3 R93.2@10.95,7.35
NetD19_C: D19.C R99.2 | length 2.4
  TOP w0.4: R99.2@71.3,48.7 D19.C@73.75,48.7